# KiCad board kb.kicad_pcb
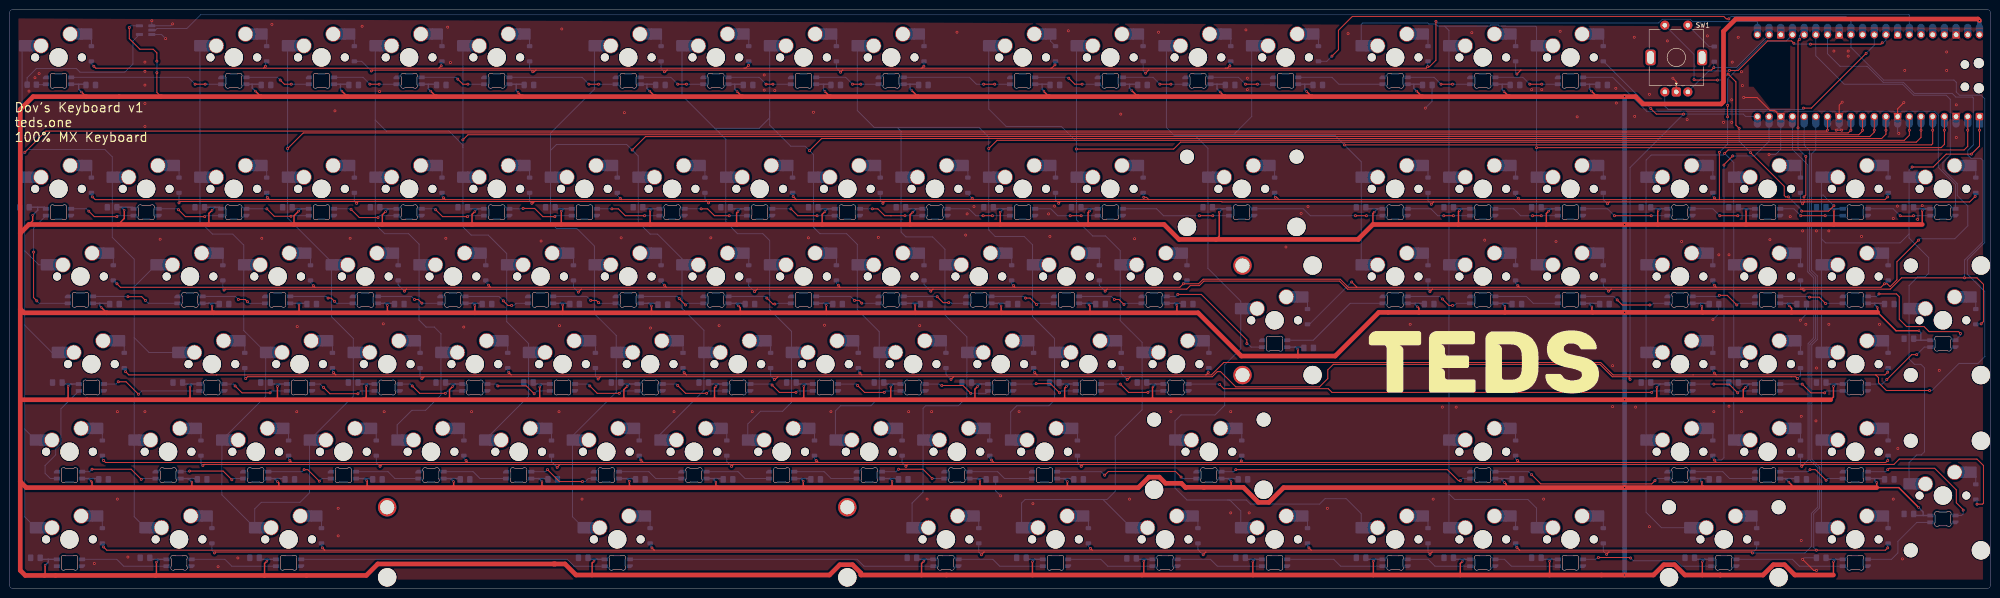
[diagram p0: board, top side]
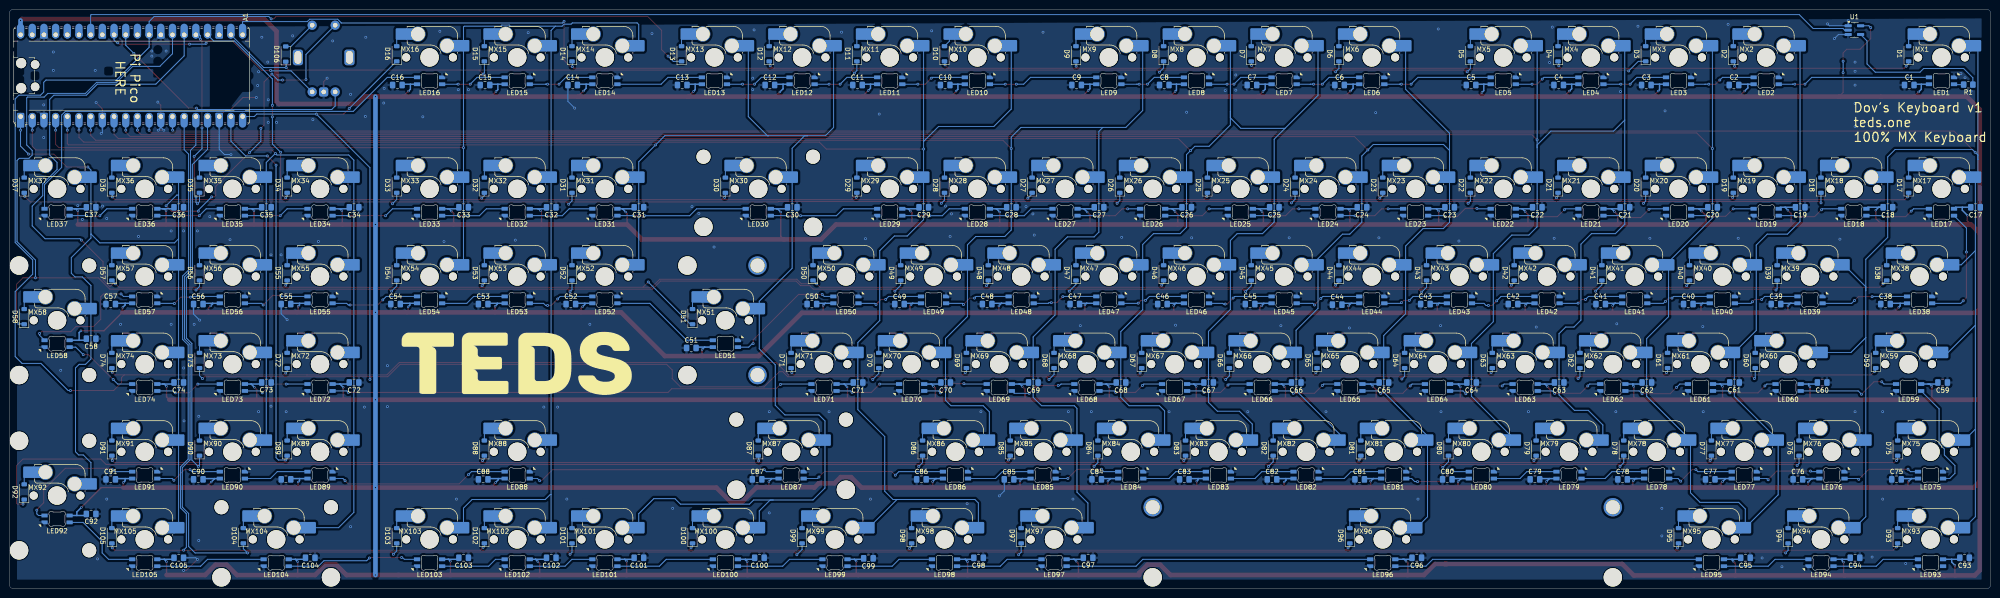
[diagram p1: board, bottom side, seen from below]

Outline 430.7 x 126 mm; copper layers: Top, Bottom. Coordinates in mm from the lower left corner of the outline.
Outline path: 0,125 0,1 arc(0.29,0.29) 1,0 429.7,0 arc(430.41,0.29) 430.7,1 430.7,125 arc(430.41,125.71) 429.7,126 1,126 arc(0.29,125.71) 0,125
Stack: Top 0.035mm / dielectric 1.51mm FR4 er 4.5 / Bottom 0.035mm

## Placement (name value [footprint] x y rotation side)
A1  RaspberryPi_Pico_W  [RaspberryPi_Pico_Common_Unspecified]  404.1 111.55 90 bottom
C1  0.1uF  [C_0805_2012Metric_Pad1.18x1.45mm_HandSolder]  17.72 109.52 180 bottom
C2  0.1uF  [C_0805_2012Metric_Pad1.18x1.45mm_HandSolder]  55.82 109.52 180 bottom
C3  0.1uF  [C_0805_2012Metric_Pad1.18x1.45mm_HandSolder]  74.87 109.52 180 bottom
C4  0.1uF  [C_0805_2012Metric_Pad1.18x1.45mm_HandSolder]  93.92 109.52 180 bottom
C5  0.1uF  [C_0805_2012Metric_Pad1.18x1.45mm_HandSolder]  112.97 109.52 180 bottom
C6  0.1uF  [C_0805_2012Metric_Pad1.18x1.45mm_HandSolder]  141.54 109.52 180 bottom
C7  0.1uF  [C_0805_2012Metric_Pad1.18x1.45mm_HandSolder]  160.59 109.52 180 bottom
C8  0.1uF  [C_0805_2012Metric_Pad1.18x1.45mm_HandSolder]  179.64 109.52 180 bottom
C9  0.1uF  [C_0805_2012Metric_Pad1.18x1.45mm_HandSolder]  198.69 109.52 180 bottom
C10  0.1uF  [C_0805_2012Metric_Pad1.18x1.45mm_HandSolder]  227.27 109.52 180 bottom
C11  0.1uF  [C_0805_2012Metric_Pad1.18x1.45mm_HandSolder]  246.32 109.52 180 bottom
C12  0.1uF  [C_0805_2012Metric_Pad1.18x1.45mm_HandSolder]  265.37 109.52 180 bottom
C13  0.1uF  [C_0805_2012Metric_Pad1.18x1.45mm_HandSolder]  284.42 109.52 180 bottom
C14  0.1uF  [C_0805_2012Metric_Pad1.18x1.45mm_HandSolder]  308.23 109.52 180 bottom
C15  0.1uF  [C_0805_2012Metric_Pad1.18x1.45mm_HandSolder]  327.28 109.52 180 bottom
C16  0.1uF  [C_0805_2012Metric_Pad1.18x1.45mm_HandSolder]  346.33 109.52 180 bottom
C17  0.1uF  [C_0805_2012Metric_Pad1.18x1.45mm_HandSolder]  3.32 82.94 0 bottom
C18  0.1uF  [C_0805_2012Metric_Pad1.18x1.45mm_HandSolder]  22.37 82.94 0 bottom
C19  0.1uF  [C_0805_2012Metric_Pad1.18x1.45mm_HandSolder]  41.42 82.94 0 bottom
C20  0.1uF  [C_0805_2012Metric_Pad1.18x1.45mm_HandSolder]  60.47 82.94 0 bottom
C21  0.1uF  [C_0805_2012Metric_Pad1.18x1.45mm_HandSolder]  79.52 82.94 0 bottom
C22  0.1uF  [C_0805_2012Metric_Pad1.18x1.45mm_HandSolder]  98.57 82.94 0 bottom
C23  0.1uF  [C_0805_2012Metric_Pad1.18x1.45mm_HandSolder]  117.62 82.94 0 bottom
C24  0.1uF  [C_0805_2012Metric_Pad1.18x1.45mm_HandSolder]  136.67 82.94 0 bottom
C25  0.1uF  [C_0805_2012Metric_Pad1.18x1.45mm_HandSolder]  155.72 82.94 0 bottom
C26  0.1uF  [C_0805_2012Metric_Pad1.18x1.45mm_HandSolder]  174.77 82.94 0 bottom
C27  0.1uF  [C_0805_2012Metric_Pad1.18x1.45mm_HandSolder]  193.82 82.94 0 bottom
C28  0.1uF  [C_0805_2012Metric_Pad1.18x1.45mm_HandSolder]  212.87 82.94 0 bottom
C29  0.1uF  [C_0805_2012Metric_Pad1.18x1.45mm_HandSolder]  231.92 82.94 0 bottom
C30  0.1uF  [C_0805_2012Metric_Pad1.18x1.45mm_HandSolder]  260.49 82.94 0 bottom
C31  0.1uF  [C_0805_2012Metric_Pad1.18x1.45mm_HandSolder]  293.83 82.94 0 bottom
C32  0.1uF  [C_0805_2012Metric_Pad1.18x1.45mm_HandSolder]  312.88 82.94 0 bottom
C33  0.1uF  [C_0805_2012Metric_Pad1.18x1.45mm_HandSolder]  331.93 82.94 0 bottom
C34  0.1uF  [C_0805_2012Metric_Pad1.18x1.45mm_HandSolder]  355.74 82.94 0 bottom
C35  0.1uF  [C_0805_2012Metric_Pad1.18x1.45mm_HandSolder]  374.79 82.94 0 bottom
C36  0.1uF  [C_0805_2012Metric_Pad1.18x1.45mm_HandSolder]  393.84 82.94 0 bottom
C37  0.1uF  [C_0805_2012Metric_Pad1.18x1.45mm_HandSolder]  412.89 82.94 0 bottom
C38  0.1uF  [C_0805_2012Metric_Pad1.18x1.45mm_HandSolder]  22.88 61.89 180 bottom
C39  0.1uF  [C_0805_2012Metric_Pad1.18x1.45mm_HandSolder]  46.69 61.89 180 bottom
C40  0.1uF  [C_0805_2012Metric_Pad1.18x1.45mm_HandSolder]  65.74 61.89 180 bottom
C41  0.1uF  [C_0805_2012Metric_Pad1.18x1.45mm_HandSolder]  84.79 61.89 180 bottom
C42  0.1uF  [C_0805_2012Metric_Pad1.18x1.45mm_HandSolder]  103.84 61.89 180 bottom
C43  0.1uF  [C_0805_2012Metric_Pad1.18x1.45mm_HandSolder]  122.89 61.89 180 bottom
C44  0.1uF  [C_0805_2012Metric_Pad1.18x1.45mm_HandSolder]  142.07 61.77 180 bottom
C45  0.1uF  [C_0805_2012Metric_Pad1.18x1.45mm_HandSolder]  160.99 61.89 180 bottom
C46  0.1uF  [C_0805_2012Metric_Pad1.18x1.45mm_HandSolder]  180.04 61.89 180 bottom
C47  0.1uF  [C_0805_2012Metric_Pad1.18x1.45mm_HandSolder]  199.09 61.89 180 bottom
C48  0.1uF  [C_0805_2012Metric_Pad1.18x1.45mm_HandSolder]  218.14 61.89 180 bottom
C49  0.1uF  [C_0805_2012Metric_Pad1.18x1.45mm_HandSolder]  237.19 61.89 180 bottom
C50  0.1uF  [C_0805_2012Metric_Pad1.18x1.45mm_HandSolder]  256.24 61.89 180 bottom
C51  0.1uF  [C_0805_2012Metric_Pad1.18x1.45mm_HandSolder]  282.44 52.37 180 bottom
C52  0.1uF  [C_0805_2012Metric_Pad1.18x1.45mm_HandSolder]  308.63 61.89 180 bottom
C53  0.1uF  [C_0805_2012Metric_Pad1.18x1.45mm_HandSolder]  327.68 61.89 180 bottom
C54  0.1uF  [C_0805_2012Metric_Pad1.18x1.45mm_HandSolder]  346.73 61.89 180 bottom
C55  0.1uF  [C_0805_2012Metric_Pad1.18x1.45mm_HandSolder]  370.54 61.89 180 bottom
C56  0.1uF  [C_0805_2012Metric_Pad1.18x1.45mm_HandSolder]  389.59 61.89 180 bottom
C57  0.1uF  [C_0805_2012Metric_Pad1.18x1.45mm_HandSolder]  408.64 61.89 180 bottom
C58  0.1uF  [C_0805_2012Metric_Pad1.18x1.45mm_HandSolder]  412.89 54.37 0 bottom
C59  0.1uF  [C_0805_2012Metric_Pad1.18x1.45mm_HandSolder]  10.46 44.84 0 bottom
C60  0.1uF  [C_0805_2012Metric_Pad1.18x1.45mm_HandSolder]  36.66 44.84 0 bottom
C61  0.1uF  [C_0805_2012Metric_Pad1.18x1.45mm_HandSolder]  55.71 44.84 0 bottom
C62  0.1uF  [C_0805_2012Metric_Pad1.18x1.45mm_HandSolder]  74.76 44.84 0 bottom
C63  0.1uF  [C_0805_2012Metric_Pad1.18x1.45mm_HandSolder]  93.81 44.84 0 bottom
C64  0.1uF  [C_0805_2012Metric_Pad1.18x1.45mm_HandSolder]  112.86 44.84 0 bottom
C65  0.1uF  [C_0805_2012Metric_Pad1.18x1.45mm_HandSolder]  131.91 44.84 0 bottom
C66  0.1uF  [C_0805_2012Metric_Pad1.18x1.45mm_HandSolder]  150.96 44.84 0 bottom
C67  0.1uF  [C_0805_2012Metric_Pad1.18x1.45mm_HandSolder]  170.01 44.84 0 bottom
C68  0.1uF  [C_0805_2012Metric_Pad1.18x1.45mm_HandSolder]  189.06 44.84 0 bottom
C69  0.1uF  [C_0805_2012Metric_Pad1.18x1.45mm_HandSolder]  208.11 44.84 0 bottom
C70  0.1uF  [C_0805_2012Metric_Pad1.18x1.45mm_HandSolder]  227.16 44.84 0 bottom
C71  0.1uF  [C_0805_2012Metric_Pad1.18x1.45mm_HandSolder]  246.21 44.84 0 bottom
C72  0.1uF  [C_0805_2012Metric_Pad1.18x1.45mm_HandSolder]  355.74 44.84 0 bottom
C73  0.1uF  [C_0805_2012Metric_Pad1.18x1.45mm_HandSolder]  374.79 44.84 0 bottom
C74  0.1uF  [C_0805_2012Metric_Pad1.18x1.45mm_HandSolder]  393.84 44.84 0 bottom
C75  0.1uF  [C_0805_2012Metric_Pad1.18x1.45mm_HandSolder]  20.5 23.79 180 bottom
C76  0.1uF  [C_0805_2012Metric_Pad1.18x1.45mm_HandSolder]  41.93 23.79 180 bottom
C77  0.1uF  [C_0805_2012Metric_Pad1.18x1.45mm_HandSolder]  60.98 23.79 180 bottom
C78  0.1uF  [C_0805_2012Metric_Pad1.18x1.45mm_HandSolder]  80.03 23.79 180 bottom
C79  0.1uF  [C_0805_2012Metric_Pad1.18x1.45mm_HandSolder]  99.08 23.79 180 bottom
C80  0.1uF  [C_0805_2012Metric_Pad1.18x1.45mm_HandSolder]  118.13 23.79 180 bottom
C81  0.1uF  [C_0805_2012Metric_Pad1.18x1.45mm_HandSolder]  137.18 23.79 180 bottom
C82  0.1uF  [C_0805_2012Metric_Pad1.18x1.45mm_HandSolder]  156.23 23.79 180 bottom
C83  0.1uF  [C_0805_2012Metric_Pad1.18x1.45mm_HandSolder]  175.28 23.79 180 bottom
C84  0.1uF  [C_0805_2012Metric_Pad1.18x1.45mm_HandSolder]  194.33 23.79 180 bottom
C85  0.1uF  [C_0805_2012Metric_Pad1.18x1.45mm_HandSolder]  213.38 23.79 180 bottom
C86  0.1uF  [C_0805_2012Metric_Pad1.18x1.45mm_HandSolder]  232.43 23.79 180 bottom
C87  0.1uF  [C_0805_2012Metric_Pad1.18x1.45mm_HandSolder]  268.15 23.79 180 bottom
C88  0.1uF  [C_0805_2012Metric_Pad1.18x1.45mm_HandSolder]  327.68 23.79 180 bottom
C89  0.1uF  [C_0805_2012Metric_Pad1.18x1.45mm_HandSolder]  370.54 23.79 180 bottom
C90  0.1uF  [C_0805_2012Metric_Pad1.18x1.45mm_HandSolder]  389.59 23.79 180 bottom
C91  0.1uF  [C_0805_2012Metric_Pad1.18x1.45mm_HandSolder]  408.64 23.79 180 bottom
C92  0.1uF  [C_0805_2012Metric_Pad1.18x1.45mm_HandSolder]  412.89 16.27 0 bottom
C93  0.1uF  [C_0805_2012Metric_Pad1.18x1.45mm_HandSolder]  5.7 6.74 0 bottom
C94  0.1uF  [C_0805_2012Metric_Pad1.18x1.45mm_HandSolder]  29.51 6.74 0 bottom
C95  0.1uF  [C_0805_2012Metric_Pad1.18x1.45mm_HandSolder]  53.33 6.74 0 bottom
C96  0.1uF  [C_0805_2012Metric_Pad1.18x1.45mm_HandSolder]  124.76 6.74 0 bottom
C97  0.1uF  [C_0805_2012Metric_Pad1.18x1.45mm_HandSolder]  196.2 6.74 0 bottom
C98  0.1uF  [C_0805_2012Metric_Pad1.18x1.45mm_HandSolder]  220.01 6.74 0 bottom
C99  0.1uF  [C_0805_2012Metric_Pad1.18x1.45mm_HandSolder]  243.95 6.62 0 bottom
C100  0.1uF  [C_0805_2012Metric_Pad1.18x1.45mm_HandSolder]  267.64 6.74 0 bottom
C101  0.1uF  [C_0805_2012Metric_Pad1.18x1.45mm_HandSolder]  293.83 6.74 0 bottom
C102  0.1uF  [C_0805_2012Metric_Pad1.18x1.45mm_HandSolder]  312.88 6.74 0 bottom
C103  0.1uF  [C_0805_2012Metric_Pad1.18x1.45mm_HandSolder]  331.93 6.74 0 bottom
C104  0.1uF  [C_0805_2012Metric_Pad1.18x1.45mm_HandSolder]  365.27 6.74 0 bottom
C105  0.1uF  [C_0805_2012Metric_Pad1.18x1.45mm_HandSolder]  393.84 6.74 0 bottom
D1  D  [D_SOD-123]  17.86 116.31 90 bottom
D2  D  [D_SOD-123]  55.96 116.31 90 bottom
D3  D  [D_SOD-123]  75.01 116.31 90 bottom
D4  D  [D_SOD-123]  94.06 116.31 90 bottom
D5  D  [D_SOD-123]  113.11 116.31 90 bottom
D6  D  [D_SOD-123]  141.69 116.31 90 bottom
D7  D  [D_SOD-123]  160.74 116.31 90 bottom
D8  D  [D_SOD-123]  179.79 116.31 90 bottom
D9  D  [D_SOD-123]  198.84 116.31 90 bottom
D10  D  [D_SOD-123]  227.41 116.31 90 bottom
D11  D  [D_SOD-123]  246.46 116.31 90 bottom
D12  D  [D_SOD-123]  265.51 116.31 90 bottom
D13  D  [D_SOD-123]  284.56 116.31 90 bottom
D14  D  [D_SOD-123]  308.38 116.31 90 bottom
D15  D  [D_SOD-123]  327.43 116.31 90 bottom
D16  D  [D_SOD-123]  346.48 116.31 90 bottom
D17  D  [D_SOD-123]  17.86 87.74 90 bottom
D18  D  [D_SOD-123]  36.91 87.74 90 bottom
D19  D  [D_SOD-123]  55.96 87.74 90 bottom
D20  D  [D_SOD-123]  75.01 87.74 90 bottom
D21  D  [D_SOD-123]  94.06 87.74 90 bottom
D22  D  [D_SOD-123]  113.11 87.74 90 bottom
D23  D  [D_SOD-123]  132.16 87.74 90 bottom
D24  D  [D_SOD-123]  151.21 87.74 90 bottom
D25  D  [D_SOD-123]  170.26 87.74 90 bottom
D26  D  [D_SOD-123]  189.31 87.74 90 bottom
D27  D  [D_SOD-123]  208.36 87.74 90 bottom
D28  D  [D_SOD-123]  227.41 87.74 90 bottom
D29  D  [D_SOD-123]  246.46 87.74 90 bottom
D30  D  [D_SOD-123]  275.04 87.74 90 bottom
D31  D  [D_SOD-123]  308.38 87.74 90 bottom
D32  D  [D_SOD-123]  327.43 87.74 90 bottom
D33  D  [D_SOD-123]  346.48 87.74 90 bottom
D34  D  [D_SOD-123]  370.29 87.74 90 bottom
D35  D  [D_SOD-123]  389.34 87.74 90 bottom
D36  D  [D_SOD-123]  408.39 87.74 90 bottom
D37  D  [D_SOD-123]  427.44 87.74 90 bottom
D38  D  [D_SOD-123]  22.63 68.69 90 bottom
D39  D  [D_SOD-123]  46.44 68.69 90 bottom
D40  D  [D_SOD-123]  65.49 68.69 90 bottom
D41  D  [D_SOD-123]  84.54 68.69 90 bottom
D42  D  [D_SOD-123]  103.59 68.69 90 bottom
D43  D  [D_SOD-123]  122.64 68.69 90 bottom
D44  D  [D_SOD-123]  141.69 68.69 90 bottom
D45  D  [D_SOD-123]  160.74 68.69 90 bottom
D46  D  [D_SOD-123]  179.79 68.69 90 bottom
D47  D  [D_SOD-123]  198.84 68.69 90 bottom
D48  D  [D_SOD-123]  217.89 68.69 90 bottom
D49  D  [D_SOD-123]  236.94 68.69 90 bottom
D50  D  [D_SOD-123]  255.99 68.69 90 bottom
D51  D  [D_SOD-123]  282.18 59.16 90 bottom
D52  D  [D_SOD-123]  308.38 68.69 90 bottom
D53  D  [D_SOD-123]  327.43 68.69 90 bottom
D54  D  [D_SOD-123]  346.48 68.69 90 bottom
D55  D  [D_SOD-123]  370.29 68.69 90 bottom
D56  D  [D_SOD-123]  389.34 68.69 90 bottom
D57  D  [D_SOD-123]  408.39 68.69 90 bottom
D58  D  [D_SOD-123]  427.44 59.16 90 bottom
D59  D  [D_SOD-123]  25.01 49.64 90 bottom
D60  D  [D_SOD-123]  51.2 49.64 90 bottom
D61  D  [D_SOD-123]  70.25 49.64 90 bottom
D62  D  [D_SOD-123]  89.3 49.64 90 bottom
D63  D  [D_SOD-123]  108.35 49.64 90 bottom
D64  D  [D_SOD-123]  127.4 49.64 90 bottom
D65  D  [D_SOD-123]  146.45 49.64 90 bottom
D66  D  [D_SOD-123]  165.5 49.64 90 bottom
D67  D  [D_SOD-123]  184.55 49.64 90 bottom
D68  D  [D_SOD-123]  203.6 49.64 90 bottom
D69  D  [D_SOD-123]  222.65 49.64 90 bottom
D70  D  [D_SOD-123]  241.7 49.64 90 bottom
D71  D  [D_SOD-123]  260.75 49.64 90 bottom
D72  D  [D_SOD-123]  370.29 49.64 90 bottom
D73  D  [D_SOD-123]  389.34 49.64 90 bottom
D74  D  [D_SOD-123]  408.39 49.64 90 bottom
D75  D  [D_SOD-123]  20.24 30.59 90 bottom
D76  D  [D_SOD-123]  41.68 30.59 90 bottom
D77  D  [D_SOD-123]  60.73 30.59 90 bottom
D78  D  [D_SOD-123]  79.78 30.59 90 bottom
D79  D  [D_SOD-123]  98.83 30.59 90 bottom
D80  D  [D_SOD-123]  117.88 30.59 90 bottom
D81  D  [D_SOD-123]  136.93 30.59 90 bottom
D82  D  [D_SOD-123]  155.98 30.59 90 bottom
D83  D  [D_SOD-123]  175.03 30.59 90 bottom
D84  D  [D_SOD-123]  194.08 30.59 90 bottom
D85  D  [D_SOD-123]  213.13 30.59 90 bottom
D86  D  [D_SOD-123]  232.18 30.59 90 bottom
D87  D  [D_SOD-123]  267.89 30.59 90 bottom
D88  D  [D_SOD-123]  327.43 30.59 90 bottom
D89  D  [D_SOD-123]  370.29 30.59 90 bottom
D90  D  [D_SOD-123]  389.34 30.59 90 bottom
D91  D  [D_SOD-123]  408.39 30.59 90 bottom
D92  D  [D_SOD-123]  427.44 21.06 90 bottom
D93  D  [D_SOD-123]  20.24 11.54 90 bottom
D94  D  [D_SOD-123]  44.06 11.54 90 bottom
D95  D  [D_SOD-123]  67.87 11.54 90 bottom
D96  D  [D_SOD-123]  139.31 11.54 90 bottom
D97  D  [D_SOD-123]  210.74 11.54 90 bottom
D98  D  [D_SOD-123]  234.56 11.54 90 bottom
D99  D  [D_SOD-123]  258.37 11.54 90 bottom
D100  D  [D_SOD-123]  282.18 11.54 90 bottom
D101  D  [D_SOD-123]  308.38 11.54 90 bottom
D102  D  [D_SOD-123]  327.43 11.54 90 bottom
D103  D  [D_SOD-123]  346.48 11.54 90 bottom
D104  D  [D_SOD-123]  379.81 11.54 90 bottom
D105  D  [D_SOD-123]  408.39 11.54 90 bottom
D106  D  [D_SOD-123]  370.6 116.25 90 bottom
LED1  SK6812MINI-E  [LED_MX_6028R-ROT]  10.72 110.44 180 bottom
LED2  SK6812MINI-E  [LED_MX_6028R-ROT]  48.82 110.44 180 bottom
LED3  SK6812MINI-E  [LED_MX_6028R-ROT]  67.87 110.44 180 bottom
LED4  SK6812MINI-E  [LED_MX_6028R-ROT]  86.92 110.44 180 bottom
LED5  SK6812MINI-E  [LED_MX_6028R-ROT]  105.97 110.44 180 bottom
LED6  SK6812MINI-E  [LED_MX_6028R-ROT]  134.54 110.44 180 bottom
LED7  SK6812MINI-E  [LED_MX_6028R-ROT]  153.59 110.44 180 bottom
LED8  SK6812MINI-E  [LED_MX_6028R-ROT]  172.64 110.44 180 bottom
LED9  SK6812MINI-E  [LED_MX_6028R-ROT]  191.69 110.44 180 bottom
LED10  SK6812MINI-E  [LED_MX_6028R-ROT]  220.27 110.44 180 bottom
LED11  SK6812MINI-E  [LED_MX_6028R-ROT]  239.32 110.44 180 bottom
LED12  SK6812MINI-E  [LED_MX_6028R-ROT]  258.37 110.44 180 bottom
LED13  SK6812MINI-E  [LED_MX_6028R-ROT]  277.42 110.44 180 bottom
LED14  SK6812MINI-E  [LED_MX_6028R-ROT]  301.23 110.44 180 bottom
LED15  SK6812MINI-E  [LED_MX_6028R-ROT]  320.28 110.44 180 bottom
LED16  SK6812MINI-E  [LED_MX_6028R-ROT]  339.33 110.44 180 bottom
LED17  SK6812MINI-E  [LED_MX_6028R]  10.72 81.86 180 bottom
LED18  SK6812MINI-E  [LED_MX_6028R]  29.77 81.86 180 bottom
LED19  SK6812MINI-E  [LED_MX_6028R]  48.82 81.86 180 bottom
LED20  SK6812MINI-E  [LED_MX_6028R]  67.87 81.86 180 bottom
LED21  SK6812MINI-E  [LED_MX_6028R]  86.92 81.86 180 bottom
LED22  SK6812MINI-E  [LED_MX_6028R]  105.97 81.86 180 bottom
LED23  SK6812MINI-E  [LED_MX_6028R]  125.02 81.86 180 bottom
LED24  SK6812MINI-E  [LED_MX_6028R]  144.07 81.86 180 bottom
LED25  SK6812MINI-E  [LED_MX_6028R]  163.12 81.86 180 bottom
LED26  SK6812MINI-E  [LED_MX_6028R]  182.17 81.86 180 bottom
LED27  SK6812MINI-E  [LED_MX_6028R]  201.22 81.86 180 bottom
LED28  SK6812MINI-E  [LED_MX_6028R]  220.27 81.86 180 bottom
LED29  SK6812MINI-E  [LED_MX_6028R]  239.32 81.86 180 bottom
LED30  SK6812MINI-E  [LED_MX_6028R]  267.89 81.86 180 bottom
LED31  SK6812MINI-E  [LED_MX_6028R]  301.23 81.86 180 bottom
LED32  SK6812MINI-E  [LED_MX_6028R]  320.28 81.86 180 bottom
LED33  SK6812MINI-E  [LED_MX_6028R]  339.33 81.86 180 bottom
LED34  SK6812MINI-E  [LED_MX_6028R]  363.14 81.86 180 bottom
LED35  SK6812MINI-E  [LED_MX_6028R]  382.19 81.86 180 bottom
LED36  SK6812MINI-E  [LED_MX_6028R]  401.24 81.86 180 bottom
LED37  SK6812MINI-E  [LED_MX_6028R]  420.29 81.86 180 bottom
LED38  SK6812MINI-E  [LED_MX_6028R-ROT]  15.48 62.81 180 bottom
LED39  SK6812MINI-E  [LED_MX_6028R-ROT]  39.29 62.81 180 bottom
LED40  SK6812MINI-E  [LED_MX_6028R-ROT]  58.34 62.81 180 bottom
LED41  SK6812MINI-E  [LED_MX_6028R-ROT]  77.39 62.81 180 bottom
LED42  SK6812MINI-E  [LED_MX_6028R-ROT]  96.44 62.81 180 bottom
LED43  SK6812MINI-E  [LED_MX_6028R-ROT]  115.49 62.81 180 bottom
LED44  SK6812MINI-E  [LED_MX_6028R-ROT]  134.54 62.81 180 bottom
LED45  SK6812MINI-E  [LED_MX_6028R-ROT]  153.59 62.81 180 bottom
LED46  SK6812MINI-E  [LED_MX_6028R-ROT]  172.64 62.81 180 bottom
LED47  SK6812MINI-E  [LED_MX_6028R-ROT]  191.69 62.81 180 bottom
LED48  SK6812MINI-E  [LED_MX_6028R-ROT]  210.74 62.81 180 bottom
LED49  SK6812MINI-E  [LED_MX_6028R-ROT]  229.79 62.81 180 bottom
LED50  SK6812MINI-E  [LED_MX_6028R-ROT]  248.84 62.81 180 bottom
LED51  SK6812MINI-E  [LED_MX_6028R-ROT]  275.04 53.29 180 bottom
LED52  SK6812MINI-E  [LED_MX_6028R-ROT]  301.23 62.81 180 bottom
LED53  SK6812MINI-E  [LED_MX_6028R-ROT]  320.28 62.81 180 bottom
LED54  SK6812MINI-E  [LED_MX_6028R-ROT]  339.33 62.81 180 bottom
LED55  SK6812MINI-E  [LED_MX_6028R-ROT]  363.14 62.81 180 bottom
LED56  SK6812MINI-E  [LED_MX_6028R-ROT]  382.19 62.81 180 bottom
LED57  SK6812MINI-E  [LED_MX_6028R-ROT]  401.24 62.81 180 bottom
LED58  SK6812MINI-E  [LED_MX_6028R]  420.29 53.29 180 bottom
LED59  SK6812MINI-E  [LED_MX_6028R]  17.86 43.76 180 bottom
LED60  SK6812MINI-E  [LED_MX_6028R]  44.06 43.76 180 bottom
LED61  SK6812MINI-E  [LED_MX_6028R]  63.11 43.76 180 bottom
LED62  SK6812MINI-E  [LED_MX_6028R]  82.16 43.76 180 bottom
LED63  SK6812MINI-E  [LED_MX_6028R]  101.21 43.76 180 bottom
LED64  SK6812MINI-E  [LED_MX_6028R]  120.26 43.76 180 bottom
LED65  SK6812MINI-E  [LED_MX_6028R]  139.31 43.76 180 bottom
LED66  SK6812MINI-E  [LED_MX_6028R]  158.36 43.76 180 bottom
LED67  SK6812MINI-E  [LED_MX_6028R]  177.41 43.76 180 bottom
LED68  SK6812MINI-E  [LED_MX_6028R]  196.46 43.76 180 bottom
LED69  SK6812MINI-E  [LED_MX_6028R]  215.51 43.76 180 bottom
LED70  SK6812MINI-E  [LED_MX_6028R]  234.56 43.76 180 bottom
LED71  SK6812MINI-E  [LED_MX_6028R]  253.61 43.76 180 bottom
LED72  SK6812MINI-E  [LED_MX_6028R]  363.14 43.76 180 bottom
LED73  SK6812MINI-E  [LED_MX_6028R]  382.19 43.76 180 bottom
LED74  SK6812MINI-E  [LED_MX_6028R]  401.24 43.76 180 bottom
LED75  SK6812MINI-E  [LED_MX_6028R-ROT]  13.1 24.71 180 bottom
LED76  SK6812MINI-E  [LED_MX_6028R-ROT]  34.53 24.71 180 bottom
LED77  SK6812MINI-E  [LED_MX_6028R-ROT]  53.58 24.71 180 bottom
LED78  SK6812MINI-E  [LED_MX_6028R-ROT]  72.63 24.71 180 bottom
LED79  SK6812MINI-E  [LED_MX_6028R-ROT]  91.68 24.71 180 bottom
LED80  SK6812MINI-E  [LED_MX_6028R-ROT]  110.73 24.71 180 bottom
LED81  SK6812MINI-E  [LED_MX_6028R-ROT]  129.78 24.71 180 bottom
LED82  SK6812MINI-E  [LED_MX_6028R-ROT]  148.83 24.71 180 bottom
LED83  SK6812MINI-E  [LED_MX_6028R-ROT]  167.88 24.71 180 bottom
LED84  SK6812MINI-E  [LED_MX_6028R-ROT]  186.93 24.71 180 bottom
LED85  SK6812MINI-E  [LED_MX_6028R-ROT]  205.98 24.71 180 bottom
LED86  SK6812MINI-E  [LED_MX_6028R-ROT]  225.03 24.71 180 bottom
LED87  SK6812MINI-E  [LED_MX_6028R-ROT]  260.75 24.71 180 bottom
LED88  SK6812MINI-E  [LED_MX_6028R-ROT]  320.28 24.71 180 bottom
LED89  SK6812MINI-E  [LED_MX_6028R-ROT]  363.14 24.71 180 bottom
LED90  SK6812MINI-E  [LED_MX_6028R-ROT]  382.19 24.71 180 bottom
LED91  SK6812MINI-E  [LED_MX_6028R-ROT]  401.24 24.71 180 bottom
LED92  SK6812MINI-E  [LED_MX_6028R]  420.29 15.19 180 bottom
LED93  SK6812MINI-E  [LED_MX_6028R]  13.1 5.66 180 bottom
LED94  SK6812MINI-E  [LED_MX_6028R]  36.91 5.66 180 bottom
LED95  SK6812MINI-E  [LED_MX_6028R]  60.73 5.66 180 bottom
LED96  SK6812MINI-E  [LED_MX_6028R]  132.16 5.66 180 bottom
LED97  SK6812MINI-E  [LED_MX_6028R]  203.6 5.66 180 bottom
LED98  SK6812MINI-E  [LED_MX_6028R]  227.41 5.66 180 bottom
LED99  SK6812MINI-E  [LED_MX_6028R]  251.23 5.66 180 bottom
LED100  SK6812MINI-E  [LED_MX_6028R]  275.04 5.66 180 bottom
LED101  SK6812MINI-E  [LED_MX_6028R]  301.23 5.66 180 bottom
LED102  SK6812MINI-E  [LED_MX_6028R]  320.28 5.66 180 bottom
LED103  SK6812MINI-E  [LED_MX_6028R]  339.33 5.66 180 bottom
LED104  SK6812MINI-E  [LED_MX_6028R]  372.67 5.66 180 bottom
LED105  SK6812MINI-E  [LED_MX_6028R]  401.24 5.66 180 bottom
MX1  MX_SW_HS  [SW_MX_HS_CPG151101S11_1u]  10.72 115.52 180 bottom
MX2  MX_SW_HS  [SW_MX_HS_CPG151101S11_1u]  48.82 115.52 180 bottom
MX3  MX_SW_HS  [SW_MX_HS_CPG151101S11_1u]  67.87 115.52 180 bottom
MX4  MX_SW_HS  [SW_MX_HS_CPG151101S11_1u]  86.92 115.52 180 bottom
MX5  MX_SW_HS  [SW_MX_HS_CPG151101S11_1u]  105.97 115.52 180 bottom
MX6  MX_SW_HS  [SW_MX_HS_CPG151101S11_1u]  134.54 115.52 180 bottom
MX7  MX_SW_HS  [SW_MX_HS_CPG151101S11_1u]  153.59 115.52 180 bottom
MX8  MX_SW_HS  [SW_MX_HS_CPG151101S11_1u]  172.64 115.52 180 bottom
MX9  MX_SW_HS  [SW_MX_HS_CPG151101S11_1u]  191.69 115.52 180 bottom
MX10  MX_SW_HS  [SW_MX_HS_CPG151101S11_1u]  220.27 115.52 180 bottom
MX11  MX_SW_HS  [SW_MX_HS_CPG151101S11_1u]  239.32 115.52 180 bottom
MX12  MX_SW_HS  [SW_MX_HS_CPG151101S11_1u]  258.37 115.52 180 bottom
MX13  MX_SW_HS  [SW_MX_HS_CPG151101S11_1u]  277.42 115.52 180 bottom
MX14  MX_SW_HS  [SW_MX_HS_CPG151101S11_1u]  301.23 115.52 180 bottom
MX15  MX_SW_HS  [SW_MX_HS_CPG151101S11_1u]  320.28 115.52 180 bottom
MX16  MX_SW_HS  [SW_MX_HS_CPG151101S11_1u]  339.33 115.52 180 bottom
MX17  MX_SW_HS  [SW_MX_HS_CPG151101S11_1u]  10.72 86.94 180 bottom
MX18  MX_SW_HS  [SW_MX_HS_CPG151101S11_1u]  29.77 86.94 180 bottom
MX19  MX_SW_HS  [SW_MX_HS_CPG151101S11_1u]  48.82 86.94 180 bottom
MX20  MX_SW_HS  [SW_MX_HS_CPG151101S11_1u]  67.87 86.94 180 bottom
MX21  MX_SW_HS  [SW_MX_HS_CPG151101S11_1u]  86.92 86.94 180 bottom
MX22  MX_SW_HS  [SW_MX_HS_CPG151101S11_1u]  105.97 86.94 180 bottom
MX23  MX_SW_HS  [SW_MX_HS_CPG151101S11_1u]  125.02 86.94 180 bottom
MX24  MX_SW_HS  [SW_MX_HS_CPG151101S11_1u]  144.07 86.94 180 bottom
MX25  MX_SW_HS  [SW_MX_HS_CPG151101S11_1u]  163.12 86.94 180 bottom
MX26  MX_SW_HS  [SW_MX_HS_CPG151101S11_1u]  182.17 86.94 180 bottom
MX27  MX_SW_HS  [SW_MX_HS_CPG151101S11_1u]  201.22 86.94 180 bottom
MX28  MX_SW_HS  [SW_MX_HS_CPG151101S11_1u]  220.27 86.94 180 bottom
MX29  MX_SW_HS  [SW_MX_HS_CPG151101S11_1u]  239.32 86.94 180 bottom
MX30  MX_SW_HS  [SW_MX_HS_CPG151101S11_1u]  267.89 86.94 180 bottom
MX31  MX_SW_HS  [SW_MX_HS_CPG151101S11_1u]  301.23 86.94 180 bottom
MX32  MX_SW_HS  [SW_MX_HS_CPG151101S11_1u]  320.28 86.94 180 bottom
MX33  MX_SW_HS  [SW_MX_HS_CPG151101S11_1u]  339.33 86.94 180 bottom
MX34  MX_SW_HS  [SW_MX_HS_CPG151101S11_1u]  363.14 86.94 180 bottom
MX35  MX_SW_HS  [SW_MX_HS_CPG151101S11_1u]  382.19 86.94 180 bottom
MX36  MX_SW_HS  [SW_MX_HS_CPG151101S11_1u]  401.24 86.94 180 bottom
MX37  MX_SW_HS  [SW_MX_HS_CPG151101S11_1u]  420.29 86.94 180 bottom
MX38  MX_SW_HS  [SW_MX_HS_CPG151101S11_1.5u]  15.48 67.89 180 bottom
MX39  MX_SW_HS  [SW_MX_HS_CPG151101S11_1u]  39.29 67.89 180 bottom
MX40  MX_SW_HS  [SW_MX_HS_CPG151101S11_1u]  58.34 67.89 180 bottom
MX41  MX_SW_HS  [SW_MX_HS_CPG151101S11_1u]  77.39 67.89 180 bottom
MX42  MX_SW_HS  [SW_MX_HS_CPG151101S11_1u]  96.44 67.89 180 bottom
MX43  MX_SW_HS  [SW_MX_HS_CPG151101S11_1u]  115.49 67.89 180 bottom
MX44  MX_SW_HS  [SW_MX_HS_CPG151101S11_1u]  134.54 67.89 180 bottom
MX45  MX_SW_HS  [SW_MX_HS_CPG151101S11_1u]  153.59 67.89 180 bottom
MX46  MX_SW_HS  [SW_MX_HS_CPG151101S11_1u]  172.64 67.89 180 bottom
MX47  MX_SW_HS  [SW_MX_HS_CPG151101S11_1u]  191.69 67.89 180 bottom
MX48  MX_SW_HS  [SW_MX_HS_CPG151101S11_1u]  210.74 67.89 180 bottom
MX49  MX_SW_HS  [SW_MX_HS_CPG151101S11_1u]  229.79 67.89 180 bottom
MX50  MX_SW_HS  [SW_MX_HS_CPG151101S11_1u]  248.84 67.89 180 bottom
MX51  MX_SW_HS  [SW_MX_HS_CPG151101S11_1u]  275.04 58.37 180 bottom
MX52  MX_SW_HS  [SW_MX_HS_CPG151101S11_1u]  301.23 67.89 180 bottom
MX53  MX_SW_HS  [SW_MX_HS_CPG151101S11_1u]  320.28 67.89 180 bottom
MX54  MX_SW_HS  [SW_MX_HS_CPG151101S11_1u]  339.33 67.89 180 bottom
MX55  MX_SW_HS  [SW_MX_HS_CPG151101S11_1u]  363.14 67.89 180 bottom
MX56  MX_SW_HS  [SW_MX_HS_CPG151101S11_1u]  382.19 67.89 180 bottom
MX57  MX_SW_HS  [SW_MX_HS_CPG151101S11_1u]  401.24 67.89 180 bottom
MX58  MX_SW_HS  [SW_MX_HS_CPG151101S11_1u]  420.29 58.37 180 bottom
MX59  MX_SW_HS  [SW_MX_HS_CPG151101S11_1.75u]  17.86 48.84 180 bottom
MX60  MX_SW_HS  [SW_MX_HS_CPG151101S11_1u]  44.06 48.84 180 bottom
MX61  MX_SW_HS  [SW_MX_HS_CPG151101S11_1u]  63.11 48.84 180 bottom
MX62  MX_SW_HS  [SW_MX_HS_CPG151101S11_1u]  82.16 48.84 180 bottom
MX63  MX_SW_HS  [SW_MX_HS_CPG151101S11_1u]  101.21 48.84 180 bottom
MX64  MX_SW_HS  [SW_MX_HS_CPG151101S11_1u]  120.26 48.84 180 bottom
MX65  MX_SW_HS  [SW_MX_HS_CPG151101S11_1u]  139.31 48.84 180 bottom
MX66  MX_SW_HS  [SW_MX_HS_CPG151101S11_1u]  158.36 48.84 180 bottom
MX67  MX_SW_HS  [SW_MX_HS_CPG151101S11_1u]  177.41 48.84 180 bottom
MX68  MX_SW_HS  [SW_MX_HS_CPG151101S11_1u]  196.46 48.84 180 bottom
MX69  MX_SW_HS  [SW_MX_HS_CPG151101S11_1u]  215.51 48.84 180 bottom
MX70  MX_SW_HS  [SW_MX_HS_CPG151101S11_1u]  234.56 48.84 180 bottom
MX71  MX_SW_HS  [SW_MX_HS_CPG151101S11_1u]  253.61 48.84 180 bottom
MX72  MX_SW_HS  [SW_MX_HS_CPG151101S11_1u]  363.14 48.84 180 bottom
MX73  MX_SW_HS  [SW_MX_HS_CPG151101S11_1u]  382.19 48.84 180 bottom
MX74  MX_SW_HS  [SW_MX_HS_CPG151101S11_1u]  401.24 48.84 180 bottom
MX75  MX_SW_HS  [SW_MX_HS_CPG151101S11_1.25u]  13.1 29.79 180 bottom
MX76  MX_SW_HS  [SW_MX_HS_CPG151101S11_1u]  34.53 29.79 180 bottom
MX77  MX_SW_HS  [SW_MX_HS_CPG151101S11_1u]  53.58 29.79 180 bottom
MX78  MX_SW_HS  [SW_MX_HS_CPG151101S11_1u]  72.63 29.79 180 bottom
MX79  MX_SW_HS  [SW_MX_HS_CPG151101S11_1u]  91.68 29.79 180 bottom
MX80  MX_SW_HS  [SW_MX_HS_CPG151101S11_1u]  110.73 29.79 180 bottom
MX81  MX_SW_HS  [SW_MX_HS_CPG151101S11_1u]  129.78 29.79 180 bottom
MX82  MX_SW_HS  [SW_MX_HS_CPG151101S11_1u]  148.83 29.79 180 bottom
MX83  MX_SW_HS  [SW_MX_HS_CPG151101S11_1u]  167.88 29.79 180 bottom
MX84  MX_SW_HS  [SW_MX_HS_CPG151101S11_1u]  186.93 29.79 180 bottom
MX85  MX_SW_HS  [SW_MX_HS_CPG151101S11_1u]  205.98 29.79 180 bottom
MX86  MX_SW_HS  [SW_MX_HS_CPG151101S11_1u]  225.03 29.79 180 bottom
MX87  MX_SW_HS  [SW_MX_HS_CPG151101S11_1u]  260.75 29.79 180 bottom
MX88  MX_SW_HS  [SW_MX_HS_CPG151101S11_1u]  320.28 29.79 180 bottom
MX89  MX_SW_HS  [SW_MX_HS_CPG151101S11_1u]  363.14 29.79 180 bottom
MX90  MX_SW_HS  [SW_MX_HS_CPG151101S11_1u]  382.19 29.79 180 bottom
MX91  MX_SW_HS  [SW_MX_HS_CPG151101S11_1u]  401.24 29.79 180 bottom
MX92  MX_SW_HS  [SW_MX_HS_CPG151101S11_1u]  420.29 20.27 180 bottom
MX93  MX_SW_HS  [SW_MX_HS_CPG151101S11_1.25u]  13.1 10.74 180 bottom
MX94  MX_SW_HS  [SW_MX_HS_CPG151101S11_1.25u]  36.91 10.74 180 bottom
MX95  MX_SW_HS  [SW_MX_HS_CPG151101S11_1.25u]  60.73 10.74 180 bottom
MX96  MX_SW_HS  [SW_MX_HS_CPG151101S11_1u]  132.16 10.74 180 bottom
MX97  MX_SW_HS  [SW_MX_HS_CPG151101S11_1.25u]  203.6 10.74 180 bottom
MX98  MX_SW_HS  [SW_MX_HS_CPG151101S11_1.25u]  227.41 10.74 180 bottom
MX99  MX_SW_HS  [SW_MX_HS_CPG151101S11_1.25u]  251.23 10.74 180 bottom
MX100  MX_SW_HS  [SW_MX_HS_CPG151101S11_1.25u]  275.04 10.74 180 bottom